# Altium PCB roach2.PcbDoc (part 38 of 39) (continued)
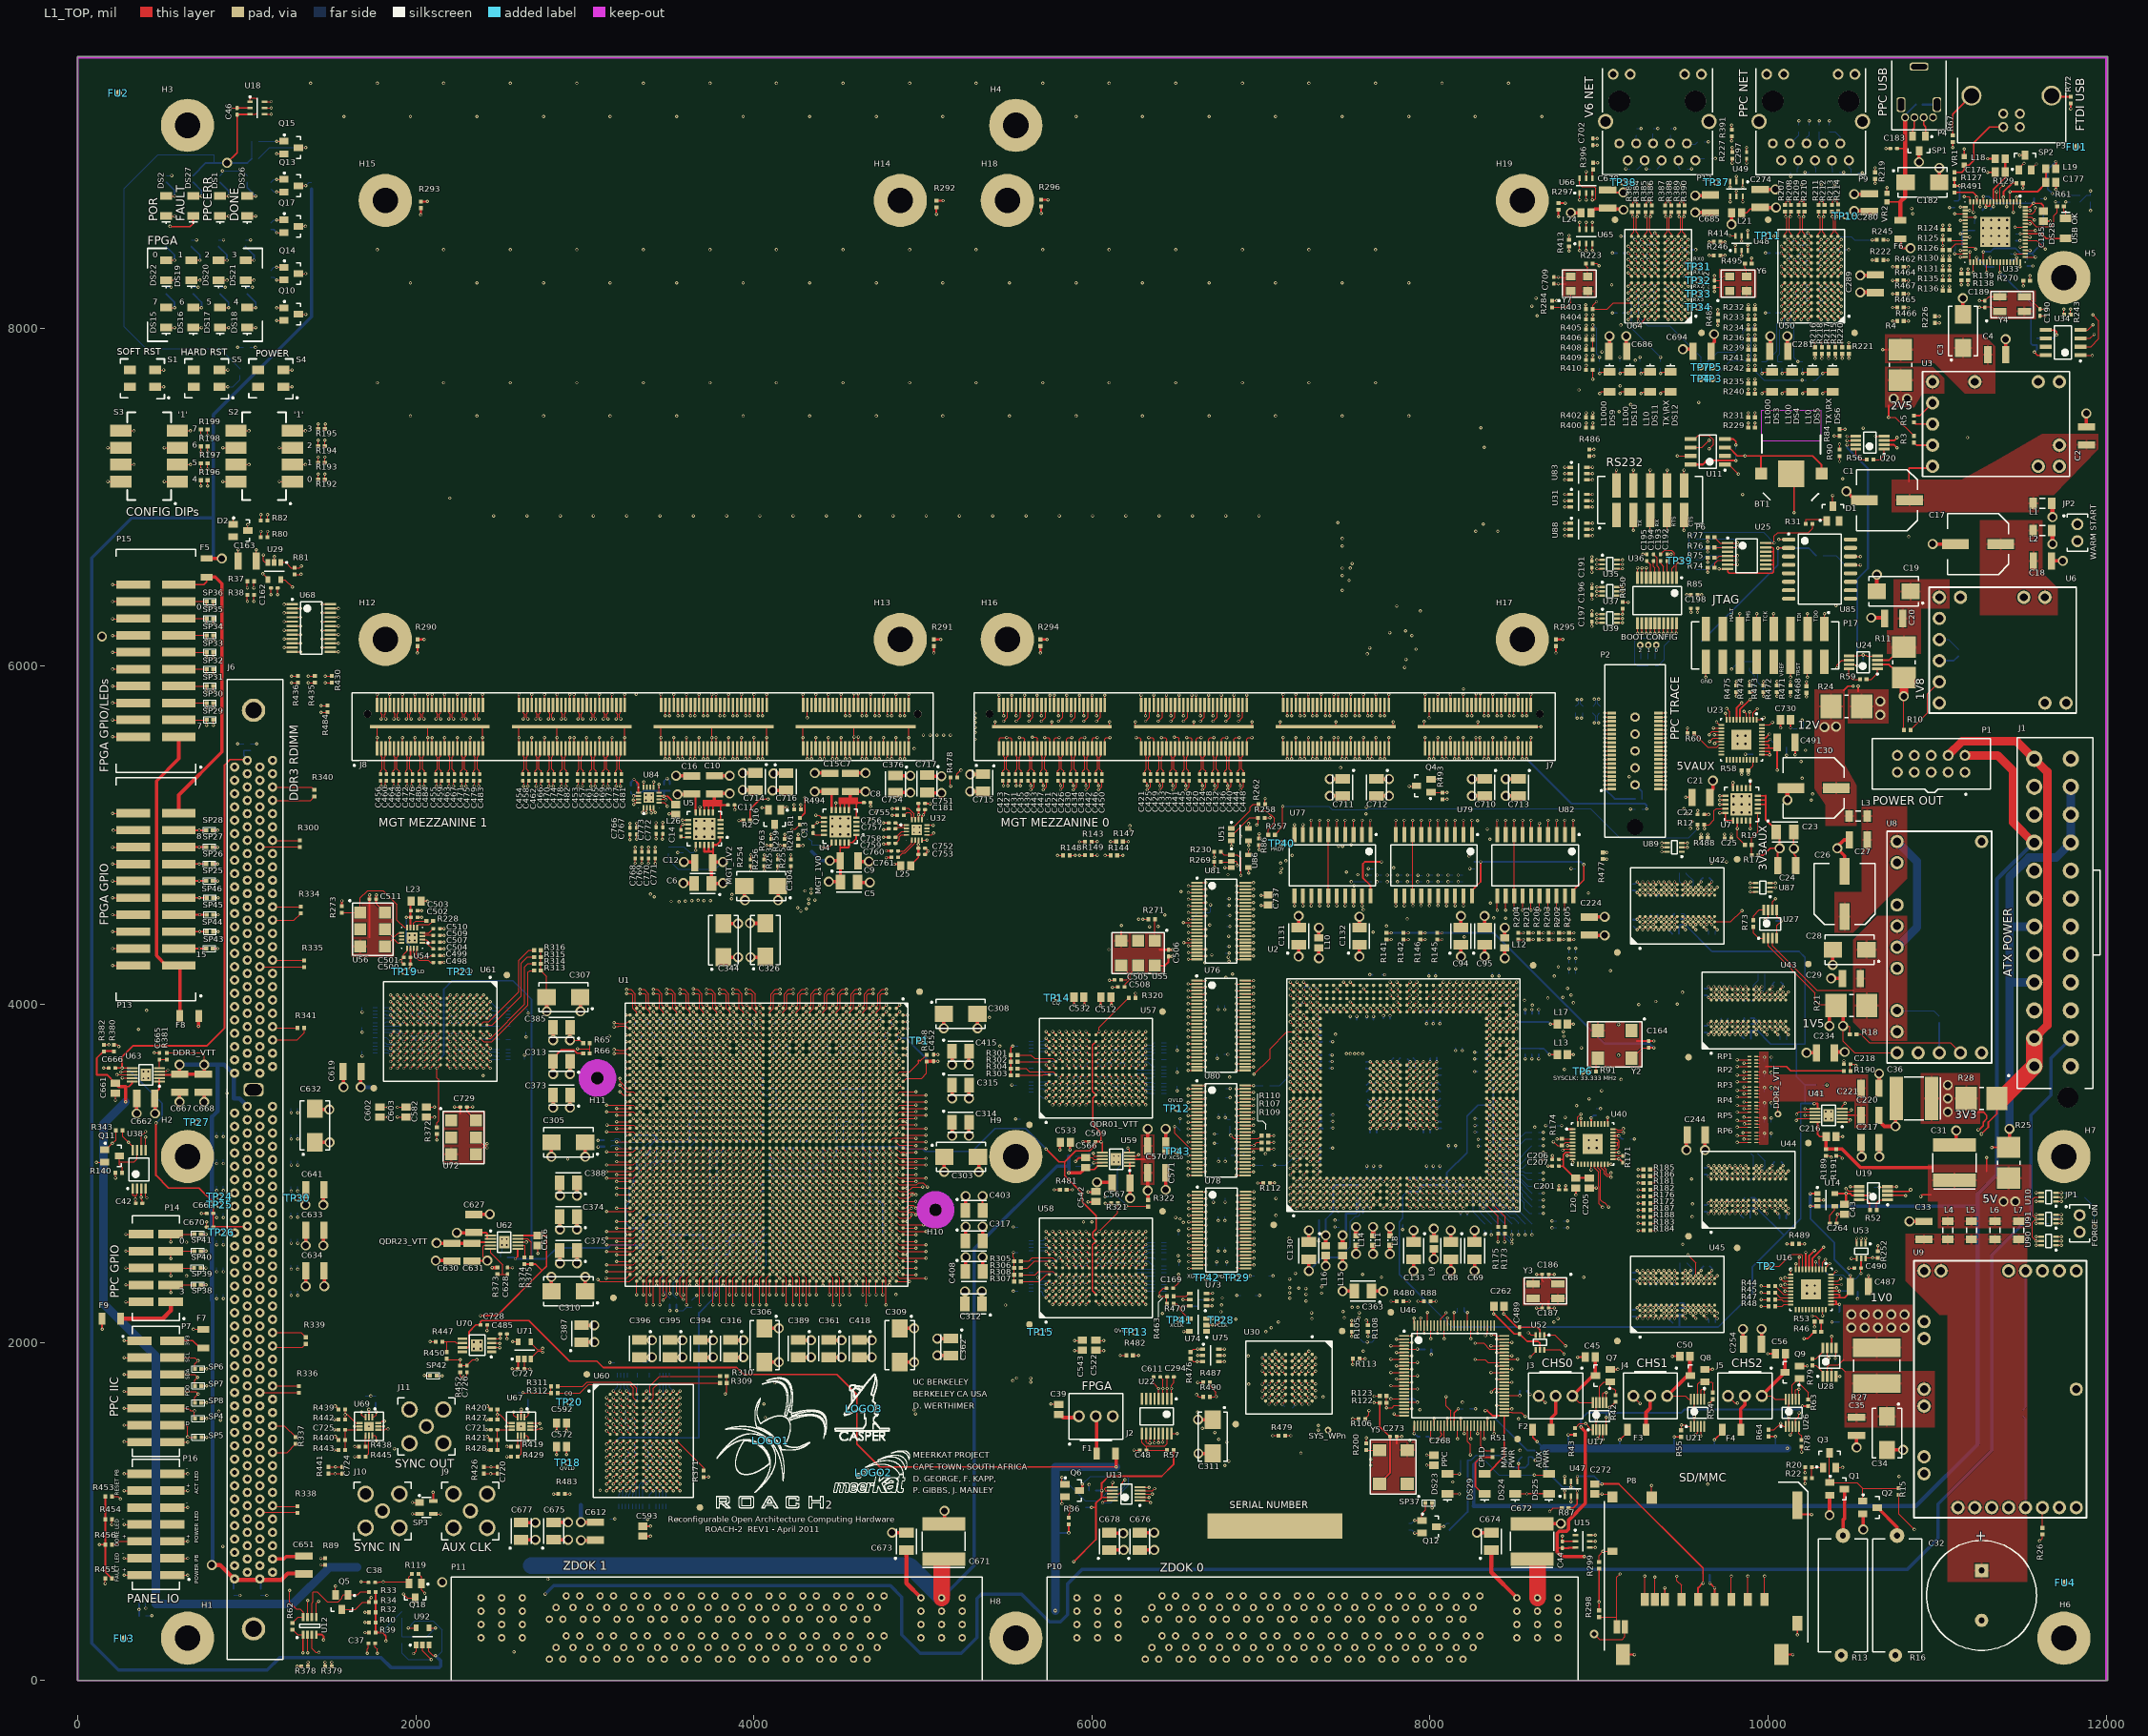
[diagram p0: L1_TOP view]
## Nets (pads, with @x,y where several pads share a name; then routed paths per layer and width w, separated by ;. In a path a pad name is that pad's centre, name@x,y a point inside that pad or via, vN(x,y) a via of type N, cw(c..) or ccw(c..) an arc to the next point about the centre after c; other vN are vias at no path point) (continued)
ZDOK1.DP_P6: P11.A13 U1.R35 | length 3368.6
  L1_TOP w5: U1.R35@4329.81,2636.26 v1(4349.5,2616.57)
  L5_S w3.8: P11.A13@3990.2,125.98 3994.2,125.98 4023.19,96.99 4023.19,81.76 4049.76,55.19 4076.42,55.19 4124.99,103.76 4124.99,146.79 4086.79,184.99 4086.79,207.19 4042.79,251.19 4042.79,269.56 4178.99,405.76 4178.99,441.96 4216.99,479.96 4216.99,633.96 4425.28,842.25 4425.28,1068.59 cw(c4429.68,1068.59) 4429.68,1072.99 4477,1072.99 ccw(c4477,1085.19) 4489.2,1085.19 ccw(c4477,1085.19) 4477,1097.39 4365.75,1097.39 cw(c4365.75,1101.79) 4365.75,1106.19 4477,1106.19 ccw(c4477,1118.39) 4489.2,1118.39 ccw(c4477,1118.39) 4477,1130.59 4429.68,1130.59 cw(c4429.68,1134.99) 4425.28,1134.99 4425.28,1318.71 4301.79,1442.19 4301.79,2084.76 4353.21,2136.18 4353.21,2310.3 4333.53,2329.99 4333.53,2600.6 v1(4349.5,2616.57)
ZDOK1.DP_P7: P11.A15 U1.P36 | length 3414.3
  L1_TOP w5: U1.P36@4369.18,2596.89 v1(4388.87,2577.2)
  L12_S w3.8: P11.A15@4190.2,125.98 4202.41,138.19 4202.41,172.44 4194.61,180.24 4194.61,209.53 4208.99,223.91 4208.99,271.96 4175.76,305.19 4163.76,305.19 4135.19,333.76 4135.19,359.56 4076.99,417.76 4076.99,443.96 4037.19,483.76 4037.19,731.19 4397.19,1091.19 4397.19,1233.59 ccw(c4392.79,1233.59) 4392.79,1237.99 4370.24,1237.99 cw(c4370.24,1250.19) 4370.24,1262.39 4426.74,1262.39 ccw(c4426.74,1266.79) 4431.14,1266.79 ccw(c4426.74,1266.79) 4426.74,1271.19 4370.24,1271.19 cw(c4370.24,1283.39) 4370.24,1295.59 4426.74,1295.59 ccw(c4426.74,1299.99) 4431.14,1299.99 ccw(c4426.74,1299.99) 4426.74,1304.39 4370.24,1304.39 cw(c4370.24,1316.59) 4370.24,1328.79 4426.74,1328.79 ccw(c4426.74,1333.19) 4431.14,1333.19 ccw(c4426.74,1333.19) 4426.74,1337.59 4370.24,1337.59 cw(c4370.24,1349.79) 4370.24,1361.99 4426.74,1361.99 ccw(c4426.74,1366.39) 4431.14,1366.39 ccw(c4426.74,1366.39) 4426.74,1370.79 4409.39,1370.79 cw(c4409.39,1382.99) 4397.19,1382.99 4397.19,2126.56 4365.99,2157.76 4365.99,2233.52 4389.76,2257.29 4389.76,2322.68 4365.47,2346.98 4365.47,2615.24 4382.4,2632.17 4395.33,2632.17 4404.47,2623.04 4404.47,2592.8 v1(4388.87,2577.2)
ZDOK1.DP_P8: P11.A17 U1.M41 | length 3377
  L1_TOP w5: U1.M41@4447.92,2400.04 4467.61,2380.35 v2(4467.61,2222.87)
  L14_S w3.8: 4384.99,84.99 4383.99,83.99 ; P11.A17@4390.2,125.98 4390.2,90.2 4383.99,83.99 ; v2@4468.5,2224.41 4448.92,2243.99 4434.99,2243.99 4415.99,2224.99 4415.99,2170.99 4476.99,2109.99 4476.99,1398.99 ccw(c4481.39,1398.99) 4481.39,1394.59 4533.99,1394.59 cw(c4533.99,1382.39) 4546.19,1382.39 cw(c4533.99,1382.39) 4533.99,1370.19 4481.39,1370.19 ccw(c4481.39,1365.79) 4481.39,1361.39 4533.99,1361.39 cw(c4533.99,1349.19) 4546.19,1349.19 cw(c4533.99,1349.19) 4533.99,1336.99 4481.39,1336.99 ccw(c4481.39,1332.59) 4481.39,1328.19 4533.99,1328.19 cw(c4533.99,1315.99) 4546.19,1315.99 cw(c4533.99,1315.99) 4533.99,1303.79 4481.39,1303.79 ccw(c4481.39,1299.39) 4481.39,1294.99 4533.99,1294.99 cw(c4533.99,1282.79) 4546.19,1282.79 cw(c4533.99,1282.79) 4533.99,1270.59 4481.39,1270.59 ccw(c4481.39,1266.19) 4481.39,1261.79 4533.99,1261.79 cw(c4533.99,1249.59) 4546.19,1249.59 cw(c4533.99,1249.59) 4533.99,1237.39 4481.39,1237.39 ccw(c4481.39,1232.99) 4481.39,1228.59 4533.99,1228.59 cw(c4533.99,1216.39) 4546.19,1216.39 cw(c4533.99,1216.39) 4533.99,1204.19 4481.39,1204.19 ccw(c4481.39,1199.79) 4476.99,1199.79 4476.99,807.96 4332.99,663.96 4332.99,488.99 4372.79,449.19 4372.79,409.76 4354.79,391.76 4354.79,345.19 4414.79,285.19 4414.79,239.76 4382.99,207.96 4382.99,181.96 4350.99,149.96 4350.99,96.99 4370.99,76.99 4376.99,76.99 4383.99,83.99
ZDOK1.DP_P9: P11.A19 U1.L41 | length 3386.4
  L1_TOP w5: U1.L41@4487.29,2400.04 4506.98,2380.35 v2(4506.98,2222.87)
  L14_S w3.8: v2@4507.87,2224.41 4507.87,2242.87 4511.99,2246.99 4519.99,2246.99 4524.99,2241.99 4524.99,2170.96 4605.19,2090.76 4605.19,1878.76 4629.19,1854.76 4629.19,1818.99 ccw(c4641.39,1818.99) 4641.39,1806.79 4703.67,1806.79 cw(c4703.67,1802.39) 4708.07,1802.39 cw(c4703.67,1802.39) 4703.67,1797.99 4584.11,1797.99 ccw(c4584.11,1785.79) 4584.11,1773.59 4703.67,1773.59 cw(c4703.67,1769.19) 4708.07,1769.19 cw(c4703.67,1769.19) 4703.67,1764.79 4584.11,1764.79 ccw(c4584.11,1752.59) 4584.11,1740.39 4703.67,1740.39 cw(c4703.67,1735.99) 4708.07,1735.99 cw(c4703.67,1735.99) 4703.67,1731.59 4584.11,1731.59 ccw(c4584.11,1719.39) 4584.11,1707.19 4703.67,1707.19 cw(c4703.67,1702.79) 4708.07,1702.79 cw(c4703.67,1702.79) 4703.67,1698.39 4641.39,1698.39 ccw(c4641.39,1686.19) 4629.19,1686.19 4629.19,487.76 4684.99,431.96 4684.99,399.96 4711.48,373.48 4711.48,347.48 4595.19,231.19 4595.19,210.11 4594.61,209.53 4594.61,180.24 4595.19,179.65 4595.19,130.98 P11.A19@4590.2,125.98
ZDOK1.DP_P10: P11.D1 U1.AA32 | length 3362.8
  L1_TOP w5: U1.AA32@4093.59,2754.37 v1(4113.28,2734.68)
  L3_S w3.8: P11.D1@2790.2,362.2 2818.98,390.99 2832.99,390.99 2857.51,415.51 2857.51,455.44 2843.19,469.76 2843.19,583.19 3278.99,1018.99 3427.99,1018.99 ccw(c3427.99,1023.39) 3432.39,1023.39 3432.39,1069.8 cw(c3444.59,1069.8) 3456.79,1069.8 3456.79,1023.39 ccw(c3461.19,1023.39) 3465.59,1023.39 3465.59,1069.8 cw(c3477.79,1069.8) 3489.99,1069.8 3489.99,1023.39 ccw(c3494.39,1023.39) 3494.39,1018.99 3544.99,1018.99 3659.19,1133.19 3659.19,1556.19 3793.19,1690.19 3793.19,1898.09 3793.42,1898.32 3793.42,2011.65 3863.76,2081.99 3915.69,2133.92 3915.69,2222.72 3952.08,2259.11 3952.08,2321.11 4003.76,2372.79 4028.76,2372.79 4070.69,2414.72 4070.69,2692.72 4112.65,2734.68 v1(4113.28,2734.68)
ZDOK1.DP_P11: P11.D3 U1.Y38 | length 3363.8
  L1_TOP w5: U1.Y38@4132.96,2518.15 v1(4152.65,2498.46)
  L14_S w3.8: P11.D3@2990.2,362.2 2990.2,326.2 2976.99,312.99 2948.99,312.99 2930.99,330.99 2930.99,365.96 2969.28,404.25 2969.28,452.71 2925.35,496.63 2925.35,514.64 2924.99,515.01 2924.99,582.99 3165.19,823.19 3480.22,823.19 3614.99,957.96 3614.99,1249.96 3677.5,1312.47 3840.08,1475.05 cw(c3843.19,1471.94) 3846.3,1475.05 3865.17,1456.18 ccw(c3873.8,1464.8) 3882.43,1456.18 ccw(c3873.8,1464.8) 3886,1464.8 ccw(c3873.8,1464.8) 3882.43,1473.43 3857.69,1498.17 ; 3857.68,1498.18 3844.43,1511.42 cw(c3847.54,1514.54) 3844.43,1517.65 cw(c3847.54,1514.54) 3850.65,1517.65 3863.9,1504.4 3888.65,1479.65 ccw(c3897.28,1488.28) 3905.9,1479.65 ccw(c3897.28,1488.28) 3909.47,1488.28 ccw(c3897.28,1488.28) 3905.9,1496.91 3881.17,1521.64 3867.91,1534.9 cw(c3871.02,1538.01) 3867.91,1541.12 cw(c3871.02,1538.01) 3874.13,1541.12 3887.38,1527.87 ; 3887.39,1527.86 3912.12,1503.13 ccw(c3920.75,1511.75) 3929.38,1503.13 ccw(c3920.75,1511.75) 3932.95,1511.75 ccw(c3920.75,1511.75) 3929.38,1520.38 3910.5,1539.25 cw(c3913.62,1542.36) 3910.5,1545.47 3990.79,1625.76 3990.79,2048.76 4122.79,2180.76 4122.79,2270.03 4117.36,2275.47 4117.36,2288.39 4138.97,2310 4138.97,2371.97 4137.05,2373.89 4137.05,2483.5 4152.33,2498.78 v1@4153.54,2500
ZDOK1.DP_P12: P11.D5 U1.V33 | length 3326.2
  L1_TOP w5: U1.V33@4211.7,2715 v1(4231.39,2695.31)
  L3_S w3.8: P11.D5@3190.2,362.2 3184.98,356.99 3142.79,356.99 3142.79,381.56 3172.99,411.76 3172.99,441.19 3308.99,577.19 3484.22,577.19 3962.79,1055.76 3962.79,1224.59 cw(c3967.19,1224.59) 3967.19,1228.99 4012.58,1228.99 ccw(c4012.58,1241.19) 4024.78,1241.19 ccw(c4012.58,1241.19) 4012.58,1253.39 3915.01,1253.39 cw(c3915.01,1257.79) 3915.01,1262.19 4012.58,1262.19 ccw(c4012.58,1274.39) 4024.78,1274.39 ccw(c4012.58,1274.39) 4012.58,1286.59 3967.19,1286.59 cw(c3967.19,1290.99) 3962.79,1290.99 3962.79,1399.76 4174.79,1611.76 4174.79,1673.05 4226.99,1725.25 4226.99,2205.21 4215.79,2216.41 4215.79,2275.79 4244.49,2304.49 4244.49,2384.55 4215.79,2413.26 4215.79,2679.71 v1(4231.39,2695.31)
ZDOK1.DP_P13: P11.D7 U1.V41 | length 3319
  L1_TOP w5: U1.V41@4211.7,2400.04 4231.39,2380.35 v2(4231.39,2222.87)
  L14_S w3.8: P11.D7@3390.2,362.2 3390.2,330.2 3376.99,316.99 3344.99,316.99 3330.99,330.99 3330.99,359.96 3380.99,409.96 3380.99,445.96 3426.79,491.76 3426.79,589.56 3829.6,992.37 ; 3829.75,992.52 3834.99,997.76 3834.99,1034.19 cw(c3839.39,1034.19) 3839.39,1038.59 3893.31,1038.59 ccw(c3893.31,1050.79) 3905.51,1050.79 ccw(c3893.31,1050.79) 3893.31,1062.99 3796.47,1062.99 cw(c3796.47,1067.39) 3796.47,1071.79 3893.31,1071.79 ccw(c3893.31,1083.99) 3905.51,1083.99 ccw(c3893.31,1083.99) 3893.31,1096.19 3796.47,1096.19 cw(c3796.47,1100.59) 3796.47,1104.99 3893.31,1104.99 ccw(c3893.31,1117.19) 3905.51,1117.19 ccw(c3893.31,1117.19) 3893.31,1129.39 3796.47,1129.39 cw(c3796.47,1133.79) 3796.47,1138.19 3893.31,1138.19 ccw(c3893.31,1150.39) 3905.51,1150.39 ccw(c3893.31,1150.39) 3893.31,1162.59 3839.39,1162.59 cw(c3839.39,1166.99) 3834.99,1166.99 3834.99,1191.96 4216.5,1573.47 4216.5,2208.63 4231.07,2223.19 v2@4232.28,2224.41
ZDOK1.DP_P14: P11.D9 U1.U39 | length 3339.4
  L1_TOP w5: U1.U39@4251.07,2478.78 v1(4270.76,2459.09)
  L9_R w3.8: P11.D9@3590.2,362.2 3588.99,361 3588.99,332.99 3566.99,310.99 3556.99,310.99 3538.79,329.19 3538.79,381.56 3582.99,425.76 3582.99,443.96 3624.99,485.96 3624.99,1011.96 3718.21,1105.18 ccw(c3709.59,1113.81) 3721.79,1113.81 ccw(c3709.59,1113.81) 3718.22,1122.44 3675.88,1164.77 cw(c3678.99,1167.89) 3675.88,1171 cw(c3678.99,1167.89) 3682.1,1171 3778.52,1074.58 ccw(c3787.14,1083.21) 3795.77,1074.58 ccw(c3787.14,1083.21) 3799.34,1083.21 ccw(c3787.14,1083.21) 3795.77,1091.84 3699.36,1188.25 cw(c3702.46,1191.37) 3699.35,1194.48 cw(c3702.46,1191.37) 3705.58,1194.48 3801.99,1098.06 ccw(c3810.62,1106.69) 3819.24,1098.06 ccw(c3810.62,1106.69) 3822.82,1106.69 ccw(c3810.62,1106.69) 3819.24,1115.31 3753.18,1181.37 cw(c3756.29,1184.49) 3753.18,1187.6 cw(c3756.29,1184.49) 3759.41,1187.6 3777.25,1169.75 3825.46,1121.54 ccw(c3834.09,1130.16) 3842.72,1121.54 ccw(c3834.09,1130.16) 3846.29,1130.16 ccw(c3834.09,1130.16) 3842.72,1138.79 3800.38,1181.13 cw(c3803.49,1184.24) 3800.38,1187.35 3976.51,1363.48 4207.79,1594.76 4207.79,2157.79 4215.79,2165.79 4215.79,2278.79 4255.16,2318.16 4255.16,2443.49 v1(4270.76,2459.09)
ZDOK1.DP_P15: P11.D11 U1.U36 | length 3354.1
  L1_TOP w5: U1.U36@4251.07,2596.89 v1(4270.76,2577.2)
  L12_S w3.8: P11.D11@3790.2,362.2 3802.41,374.41 3802.41,408.66 3794.61,416.46 3794.61,445.75 3813.19,464.33 3813.19,803.19 4227.19,1217.19 4227.19,1615.59 ccw(c4222.79,1615.59) 4222.79,1619.99 4181.07,1619.99 cw(c4181.07,1632.19) 4181.07,1644.39 4281.63,1644.39 ccw(c4281.63,1648.79) 4286.03,1648.79 ccw(c4281.63,1648.79) 4281.63,1653.19 4181.07,1653.19 cw(c4181.07,1665.39) 4181.07,1677.59 4281.63,1677.59 ccw(c4281.63,1681.99) 4286.03,1681.99 ccw(c4281.63,1681.99) 4281.63,1686.39 4181.07,1686.39 cw(c4181.07,1698.59) 4181.07,1710.79 4281.63,1710.79 ccw(c4281.63,1715.19) 4286.03,1715.19 ccw(c4281.63,1715.19) 4281.63,1719.59 4181.07,1719.59 cw(c4181.07,1731.79) 4181.07,1743.99 4281.63,1743.99 ccw(c4281.63,1748.39) 4286.03,1748.39 ccw(c4281.63,1748.39) 4281.63,1752.79 4239.39,1752.79 cw(c4239.39,1764.99) 4227.19,1764.99 4227.19,1801.19 4247.99,1821.99 4265.69,1839.69 4265.69,2179.22 4286.73,2200.26 4286.73,2252.55 4267.04,2272.24 4267.04,2390.35 4247.36,2410.03 4247.36,2553.8 v1(4270.76,2577.2)
ZDOK1.DP_P16: P11.D13 U1.T41 | length 3406.6
  L1_TOP w5: U1.T41@4290.44,2400.04 4310.13,2380.35 v2(4310.13,2222.87)
  L14_S w3.8: P11.D13@3990.2,362.2 3990.2,430.3 4029.19,469.3 4029.19,831.19 4059.59,861.59 ccw(c4056.48,864.71) 4060.88,864.71 ccw(c4056.48,864.71) 4059.59,867.82 ; 4059.59,867.82 4018.94,908.47 cw(c4027.56,917.1) 4018.93,925.73 cw(c4027.56,917.1) 4036.18,925.73 4129.25,832.67 ccw(c4132.36,835.78) 4135.47,832.67 ccw(c4132.36,835.78) 4136.76,835.78 ccw(c4132.36,835.78) 4135.47,838.89 ; 4135.46,838.9 4042.41,931.95 cw(c4051.03,940.58) 4042.41,949.21 cw(c4051.03,940.58) 4059.66,949.21 4152.72,856.15 ; 4152.72,856.14 ccw(c4155.83,859.26) 4158.94,856.14 ccw(c4155.83,859.26) 4160.23,859.26 ccw(c4155.83,859.26) 4158.94,862.37 4065.88,955.43 cw(c4074.51,964.05) 4065.88,972.68 cw(c4074.51,964.05) 4083.13,972.68 4176.19,879.62 ccw(c4179.31,882.73) 4182.42,879.62 ccw(c4179.31,882.73) 4183.71,882.73 ccw(c4179.31,882.73) 4182.42,885.84 4089.36,978.9 cw(c4097.98,987.53) 4089.36,996.16 cw(c4097.98,987.53) 4106.61,996.16 4199.67,903.09 ccw(c4202.78,906.21) 4205.89,903.09 ccw(c4202.78,906.21) 4207.18,906.21 ccw(c4202.78,906.21) 4205.89,909.32 ; 4205.89,909.32 4165.23,949.98 cw(c4173.86,958.61) 4165.23,967.23 4373.42,1175.42 4373.42,2040.93 4340.59,2073.76 4340.59,2170.39 4338.99,2171.99 4338.99,2234.99 4325.99,2247.99 4315.99,2247.99 4311.02,2243.02 v2@4311.02,2224.41
ZDOK1.DP_P17: P11.D15 U1.R39 | length 3344.2
  L1_TOP w5: U1.R39@4329.81,2478.78 v1(4349.5,2459.09)
  L9_R w3.8: P11.D15@4190.2,362.2 4194.61,366.61 4194.61,485.72 4197.48,488.59 4197.48,511.41 4194.61,514.28 4194.61,1036.61 4273.99,1115.99 4335.62,1177.62 cw(c4344.25,1169) 4352.87,1177.62 4397.24,1133.25 ccw(c4400.36,1136.36) 4403.47,1133.25 ccw(c4400.36,1136.36) 4404.76,1136.36 ccw(c4400.36,1136.36) 4403.47,1139.47 4302.99,1239.95 cw(c4311.62,1248.58) 4302.99,1257.2 cw(c4311.62,1248.58) 4320.24,1257.2 4370.48,1206.97 ; v1(4349.5,2459.09) 4349.5,2441.96 4365.47,2425.99 4365.47,2370.66 4384.78,2351.35 4384.78,2275.47 4384.69,2275.38 4384.69,2245.19 4365.99,2226.49 4365.99,2153.76 4448.19,2071.56 4448.19,1290.19 4429.53,1271.53 ccw(c4438.15,1262.9) 4429.52,1254.27 ; 4370.49,1206.96 4420.72,1156.73 ccw(c4423.83,1159.84) 4426.94,1156.73 ccw(c4423.83,1159.84) 4428.23,1159.84 ccw(c4423.83,1159.84) 4426.94,1162.95 4326.47,1263.43 cw(c4335.09,1272.05) 4326.47,1280.68 cw(c4335.09,1272.05) 4343.72,1280.68 4444.19,1180.21 ccw(c4447.31,1183.31) 4450.42,1180.2 ccw(c4447.31,1183.31) 4451.71,1183.31 ccw(c4447.31,1183.31) 4450.42,1186.43 4349.94,1286.9 cw(c4358.57,1295.53) 4349.94,1304.15 cw(c4358.57,1295.53) 4367.19,1304.15 4467.66,1203.68 ; 4429.53,1254.26 4473.89,1209.91 cw(c4470.78,1206.79) 4475.18,1206.79 cw(c4470.78,1206.79) 4473.89,1203.68 cw(c4470.78,1206.79) 4467.67,1203.68
ZDOK1.DP_P18: P11.D17 U1.M31 | length 3409.1
  L1_TOP w5: U1.M31@4447.92,2793.74 v1(4467.61,2774.05)
  L5_S w3.8: P11.D17@4390.2,362.2 4403.78,362.2 4424.99,340.99 4424.99,317.96 4435.76,307.19 4710.22,307.19 4808.79,405.76 4808.79,547.19 4692.79,663.19 4692.79,1298.59 cw(c4697.19,1298.59) 4697.19,1302.99 4740.43,1302.99 ccw(c4740.43,1315.19) 4752.63,1315.19 ccw(c4740.43,1315.19) 4740.43,1327.39 4650.15,1327.39 cw(c4650.15,1331.79) 4650.15,1336.19 4740.43,1336.19 ccw(c4740.43,1348.39) 4752.63,1348.39 ccw(c4740.43,1348.39) 4740.43,1360.59 4697.19,1360.59 cw(c4697.19,1364.99) 4692.79,1364.99 4692.79,1407.19 4422.49,1677.49 4422.49,2317.83 4432.85,2328.19 4432.85,2345.78 4412.27,2366.36 4412.27,2747.05 4423.67,2758.45 4434.7,2758.45 4450.3,2774.05 v1(4467.61,2774.05)
ZDOK1.DP_P19: P11.D19 U1.N40 | length 3366.5
  L1_TOP w5: U1.N40@4408.55,2439.41 v1(4428.24,2419.72)
  L14_S w3.8: v1@4429.13,2421.26 4429.13,2419.72 4429.13,2401.52 4443.84,2386.81 4443.84,2376.15 4471.69,2348.29 4471.69,2254.32 4491.38,2234.63 4491.38,2150.41 4562.99,2078.79 4562.99,1644.99 ccw(c4567.39,1644.99) 4567.39,1640.59 4605.4,1640.59 cw(c4605.4,1628.39) 4617.6,1628.39 cw(c4605.4,1628.39) 4605.4,1616.19 4500.78,1616.19 ccw(c4500.78,1611.79) 4500.78,1607.39 4605.4,1607.39 cw(c4605.4,1595.19) 4617.6,1595.19 cw(c4605.4,1595.19) 4605.4,1582.99 4500.78,1582.99 ccw(c4500.78,1578.59) 4500.78,1574.19 4605.4,1574.19 cw(c4605.4,1561.99) 4617.6,1561.99 cw(c4605.4,1561.99) 4605.4,1549.79 4500.78,1549.79 ccw(c4500.78,1545.39) 4500.78,1540.99 4605.4,1540.99 cw(c4605.4,1528.79) 4617.6,1528.79 cw(c4605.4,1528.79) 4605.4,1516.59 4500.78,1516.59 ccw(c4500.78,1512.19) 4500.78,1507.79 4605.4,1507.79 cw(c4605.4,1495.59) 4617.6,1495.59 cw(c4605.4,1495.59) 4605.4,1483.39 4567.39,1483.39 ccw(c4567.39,1478.99) 4562.99,1478.99 4562.99,739.96 4428.99,605.96 4428.99,502.99 4492.79,439.19 4492.79,401.19 4572.99,320.99 4588.99,320.99 4592.99,324.99 4592.99,359.41 P11.D19@4590.2,362.2
ZDOK1.DP_P20: P11.C1 U1.AA35 | length 3357
  L1_TOP w5: U1.AA35@4093.59,2636.26 v1(4113.28,2616.57)
  L12_S w3.8: P11.C1@2890,263.78 2902.41,276.19 2902.41,408.66 2894.61,416.46 2894.61,445.75 2921.19,472.33 2921.19,638.42 3299.76,1016.99 3478.59,1016.99 cw(c3478.59,1004.79) 3490.79,1004.79 3490.79,961.46 ccw(c3495.19,961.46) 3499.59,961.46 3499.59,1064.72 cw(c3511.79,1064.72) 3523.99,1064.72 3523.99,989.11 ccw(c3528.39,989.11) 3532.79,989.11 3532.79,1004.79 cw(c3544.99,1004.79) 3544.99,1016.99 3588.99,1016.99 3925.71,1353.71 3925.71,1836.71 4012.03,1923.03 4025.39,1936.39 4025.39,2136.92 4109.56,2221.09 4109.56,2377.39 4089.88,2397.08 4089.88,2593.17 v1(4113.28,2616.57) ; v1@4112.96,2616.89 v1@4114.17,2618.11
ZDOK1.DP_P21: P11.C3 U1.W32 | length 3362.9
  L1_TOP w5: U1.W32@4172.33,2754.37 v1(4192.02,2734.68)
  L3_S w3.8: 3106.1,279.88 P11.C3@3090,263.78 3059.21,232.99 3048.99,232.99 3030.99,250.99 3030.99,369.96 3071.28,410.25 3071.28,452.71 3062.45,461.54 3062.45,526.45 3138.99,602.99 3186.79,602.99 3388.99,805.19 3592.22,805.19 3833.5,1046.47 3871.75,1084.72 3876.99,1089.96 3876.99,1155.79 cw(c3881.39,1155.79) 3881.39,1160.19 3912.82,1160.19 ccw(c3912.82,1172.39) 3925.02,1172.39 ccw(c3912.82,1172.39) 3912.82,1184.59 3881.39,1184.59 cw(c3881.39,1188.99) 3876.99,1188.99 3876.99,1455.19 4010.99,1589.19 4066.22,1589.19 4104.51,1627.48 4104.51,2157.51 4156.73,2209.73 4156.73,2299.23 4176.42,2318.92 4176.42,2719.08 v1(4192.02,2734.68)
ZDOK1.DP_P22: P11.C5 U1.W36 | length 3377.8
  L1_TOP w5: U1.W36@4172.33,2596.89 v1(4192.02,2577.2)
  L12_S w3.8: P11.C5@3290,263.78 3344.99,318.77 3344.99,407.17 3357.51,419.69 3357.51,442.52 3334.57,465.46 3334.57,688.57 3444.99,798.99 3606.99,798.99 4035.19,1227.19 4035.19,1325.39 cw(c4047.39,1325.39) 4047.39,1337.59 4103.87,1337.59 ccw(c4103.87,1341.99) 4108.27,1341.99 ccw(c4103.87,1341.99) 4103.87,1346.39 4017.71,1346.39 cw(c4017.71,1358.59) 4017.71,1370.79 4103.87,1370.79 ccw(c4103.87,1375.19) 4108.27,1375.19 ccw(c4103.87,1375.19) 4103.87,1379.59 4017.71,1379.59 cw(c4017.71,1391.79) 4017.71,1403.99 4103.87,1403.99 ccw(c4103.87,1408.39) 4108.27,1408.39 ccw(c4103.87,1408.39) 4103.87,1412.79 4047.39,1412.79 cw(c4047.39,1424.99) 4035.19,1424.99 4035.19,1563.19 4094.71,1622.71 4094.71,1958.71 4183.42,2047.42 4183.42,2137.95 4207.99,2162.52 4207.99,2307.61 4168.62,2346.98 4168.62,2554.44 4191.7,2577.52 v1@4192.91,2578.74
ZDOK1.DP_P23: P11.C7 U1.V40 | length 3339.9
  L1_TOP w5: U1.V40@4211.7,2439.41 v1(4231.39,2419.72)
  L14_S w3.8: 3468.99,226.99 3466.99,226.99 ; P11.C7@3490,263.78 3490,234 3482.99,226.99 3466.99,226.99 ; 3985.44,1015.92 4011.6,989.76 ccw(c4020.23,998.38) 4028.85,989.76 ccw(c4020.23,998.38) 4032.42,998.38 ccw(c4020.23,998.38) 4028.85,1007.01 3954.93,1080.93 cw(c3958.04,1084.05) 3954.93,1087.16 cw(c3958.04,1084.05) 3961.15,1087.16 4035.07,1013.23 ccw(c4043.7,1021.86) 4052.33,1013.23 ccw(c4043.7,1021.86) 4055.9,1021.86 ccw(c4043.7,1021.86) 4052.33,1030.49 3978.4,1104.41 cw(c3981.51,1107.52) 3978.4,1110.63 cw(c3981.51,1107.52) 3984.62,1110.63 4058.55,1036.71 ccw(c4067.18,1045.33) 4075.8,1036.71 ccw(c4067.18,1045.33) 4079.37,1045.33 ccw(c4067.18,1045.33) 4075.8,1053.96 4055.51,1074.25 cw(c4058.62,1077.37) 4055.51,1080.48 4234.49,1259.46 4254.79,1279.76 4254.79,2232.57 4235.1,2252.25 4235.1,2381.1 4246.49,2392.49 4246.49,2404.62 v1(4231.39,2419.72) ; 3985.43,1015.93 3937.68,1063.68 ccw(c3934.56,1060.57) 3931.45,1063.68 ccw(c3934.56,1060.57) 3931.45,1057.46 3973.34,1015.57 cw(c3964.72,1006.94) 3976.92,1006.94 cw(c3964.72,1006.94) 3973.34,998.31 3812.51,837.48 3528.99,553.96 3528.99,479.96 3492.99,443.96 3492.99,389.33 3505.47,376.85 3505.47,342.44 3436.99,273.96 3436.99,252.99 3462.99,226.99 3466.99,226.99 ; v1@4231.07,2420.04 v1@4232.28,2421.26
ZDOK1.DP_P24: P11.C9 U1.U37 | length 3384.2
  L1_TOP w5: U1.U37@4251.07,2557.52 v1(4270.76,2537.83)
  L9_R w3.8: P11.C9@3690,263.78 3694.2,263.78 3719.99,237.99 3708.99,226.99 3660.99,226.99 3654.79,233.19 3654.79,303.57 3678.08,326.85 3684.76,326.85 3705.47,347.56 3705.47,405.59 3650.99,460.07 3650.99,596.99 cw(c3655.39,596.99) 3655.39,601.39 3705.58,601.39 ccw(c3705.58,613.59) 3717.78,613.59 ccw(c3705.58,613.59) 3705.58,625.79 3655.39,625.79 cw(c3655.39,630.19) 3655.39,634.59 3705.58,634.59 ccw(c3705.58,646.79) 3717.78,646.79 ccw(c3705.58,646.79) 3705.58,658.99 3655.39,658.99 cw(c3655.39,663.39) 3655.39,667.79 3705.58,667.79 ccw(c3705.58,679.99) 3717.78,679.99 ccw(c3705.58,679.99) 3705.58,692.19 3655.39,692.19 cw(c3655.39,696.59) 3655.39,700.99 3705.58,700.99 ccw(c3705.58,713.19) 3717.78,713.19 ccw(c3705.58,713.19) 3705.58,725.39 3655.39,725.39 cw(c3655.39,729.79) 3655.39,734.19 3705.58,734.19 ccw(c3705.58,746.39) 3717.78,746.39 ccw(c3705.58,746.39) 3705.58,758.59 3655.39,758.59 cw(c3655.39,762.99) 3650.99,762.99 3650.99,821.96 4065.51,1236.48 4291.51,1462.48 4291.51,2145.48 4294.53,2148.49 4294.53,2229.53 4316.59,2251.59 4316.59,2273.09 4314.21,2275.47 4314.21,2393.58 4294.53,2413.26 4294.53,2514.06 v1(4270.76,2537.83)
ZDOK1.DP_P25: P11.C11 U1.T39 | length 3368
  L1_TOP w5: U1.T39@4290.44,2478.78 v1(4310.13,2459.09)
  L12_S w3.8: P11.C11@3890,263.78 3944.71,318.49 3944.71,392.71 3957.51,405.51 3957.51,451.44 3925.19,483.76 3925.19,715.19 4341.19,1131.19 4341.19,1556.79 ccw(c4336.79,1556.79) 4336.79,1561.19 4330.19,1561.19 cw(c4330.19,1573.39) 4330.19,1585.59 4375.91,1585.59 ccw(c4375.91,1589.99) 4380.31,1589.99 ccw(c4375.91,1589.99) 4375.91,1594.39 4330.19,1594.39 cw(c4330.19,1606.59) 4330.19,1618.79 4375.91,1618.79 ccw(c4375.91,1623.19) 4380.31,1623.19 ccw(c4375.91,1623.19) 4375.91,1627.59 4330.19,1627.59 cw(c4330.19,1639.79) 4330.19,1651.99 4375.91,1651.99 ccw(c4375.91,1656.39) 4380.31,1656.39 ccw(c4375.91,1656.39) 4375.91,1660.79 4330.19,1660.79 cw(c4330.19,1672.99) 4330.19,1685.19 4375.91,1685.19 ccw(c4375.91,1689.59) 4380.31,1689.59 ccw(c4375.91,1689.59) 4375.91,1693.99 4330.19,1693.99 cw(c4330.19,1706.19) 4330.19,1718.39 4375.91,1718.39 ccw(c4375.91,1722.79) 4380.31,1722.79 ccw(c4375.91,1722.79) 4375.91,1727.19 4330.19,1727.19 cw(c4330.19,1739.39) 4330.19,1751.59 4375.91,1751.59 ccw(c4375.91,1755.99) 4380.31,1755.99 ccw(c4375.91,1755.99) 4375.91,1760.39 4330.19,1760.39 cw(c4330.19,1772.59) 4330.19,1784.79 4375.91,1784.79 ccw(c4375.91,1789.19) 4380.31,1789.19 ccw(c4375.91,1789.19) 4375.91,1793.59 4330.19,1793.59 cw(c4330.19,1805.79) 4330.19,1817.99 4375.91,1817.99 ccw(c4375.91,1822.39) 4380.31,1822.39 ccw(c4375.91,1822.39) 4375.91,1826.79 4353.39,1826.79 cw(c4353.39,1838.99) 4341.19,1838.99 4341.19,1866.09 4373.42,1898.32 4373.42,2090.97 4326.62,2137.76 4326.62,2174.15 4345.41,2192.94 4345.41,2351.35 4326.1,2370.66 4326.1,2443.12 v1(4310.13,2459.09)
ZDOK1.DP_P26: P11.C13 U1.P42 | length 3354.7
  L1_TOP w5: v2(4369.18,2281.93) U1.P42@4369.18,2360.67
  L14_S w3.8: P11.C13@4090,263.78 4114.2,263.78 4124.99,252.99 4124.99,240.99 4106.99,222.99 4062.99,222.99 4034.99,250.99 4034.99,295.19 4056.99,317.19 4080.22,317.19 4110.79,347.76 4110.79,385.19 4094.79,401.19 4094.79,441.19 4058.99,476.99 4058.99,651.96 4296.86,889.83 ; 4296.86,907.1 4256.15,947.81 cw(c4259.26,950.92) 4256.15,954.04 cw(c4259.26,950.92) 4262.37,954.04 4355.55,860.85 ccw(c4364.18,869.48) 4372.8,860.85 ccw(c4364.18,869.48) 4376.38,869.48 ccw(c4364.18,869.48) 4372.8,878.11 4279.63,971.28 cw(c4282.73,974.4) 4279.62,977.51 cw(c4282.73,974.4) 4285.84,977.51 4379.03,884.33 ccw(c4387.65,892.95) 4396.28,884.33 ccw(c4387.65,892.95) 4399.85,892.95 ccw(c4387.65,892.95) 4396.28,901.58 4303.1,994.76 cw(c4306.21,997.87) 4303.1,1000.99 cw(c4306.21,997.87) 4309.32,1000.99 4355.9,954.4 4402.5,907.81 ccw(c4411.13,916.43) 4419.75,907.8 ccw(c4411.13,916.43) 4423.33,916.43 ccw(c4411.13,916.43) 4419.75,925.06 4377.51,967.3 cw(c4379.09,968.89) 4377.51,970.48 4409.79,1002.76 4409.79,2058.19 4377.99,2089.99 4377.99,2234.79 4353.79,2258.99 4353.79,2267.18 4368.86,2282.25 v2@4370.08,2283.46 ; 4296.87,889.84 ccw(c4288.24,898.46) 4300.44,898.46 ccw(c4288.24,898.46) 4296.87,907.09
ZDOK1.DP_P27: P11.C15 U1.P40 | length 3381.4
  L1_TOP w5: U1.P40@4369.18,2439.41 v1(4388.87,2419.72)
  L14_S w3.8: 4250.24,793.61 4334.53,709.32 ccw(c4337.65,712.43) 4340.76,709.32 ccw(c4337.65,712.43) 4342.05,712.43 ccw(c4337.65,712.43) 4340.76,715.54 4256.46,799.84 cw(c4265.09,808.47) 4256.46,817.09 cw(c4265.09,808.47) 4273.71,817.09 4322.16,768.65 4358.01,732.8 ccw(c4361.12,735.91) 4364.23,732.79 ccw(c4361.12,735.91) 4365.52,735.91 ccw(c4361.12,735.91) 4364.23,739.02 4279.94,823.31 cw(c4288.56,831.94) 4279.93,840.57 cw(c4288.56,831.94) 4297.19,840.57 4345.63,792.12 ; 4250.24,793.62 ccw(c4241.61,784.99) 4232.98,793.62 ccw(c4241.61,784.99) 4232.98,776.37 4317.28,692.07 cw(c4314.17,688.96) 4318.57,688.96 cw(c4314.17,688.96) 4317.28,685.84 cw(c4314.17,688.96) 4311.06,685.84 4226.77,770.14 ccw(c4218.13,761.52) 4209.51,770.14 ccw(c4218.13,761.52) 4209.51,752.89 4252.08,710.32 cw(c4248.98,707.2) 4253.38,707.2 cw(c4248.98,707.2) 4252.09,704.09 4237.19,689.19 4237.19,473.76 4326.06,384.89 4326.06,299.84 P11.C15@4290,263.78 ; 4345.64,792.12 4381.48,756.27 ccw(c4384.6,759.38) 4387.71,756.27 ccw(c4384.6,759.38) 4389,759.38 ccw(c4384.6,759.38) 4387.71,762.49 4357.73,792.47 cw(c4366.35,801.1) 4357.73,809.73 4417.99,869.99 4437.19,889.19 4437.19,2081.36 4385.79,2132.76 4385.79,2289.81 4366.19,2309.41 4366.19,2380.38 4389.76,2403.95 4389.76,2419.72 v1@4389.76,2421.26
ZDOK1.DP_P28: P11.C17 U1.M38 | length 3399.4
  L1_TOP w5: U1.M38@4447.92,2518.15 v1(4467.61,2498.46)
  L12_S w3.8: v1(4467.61,2498.46) 4467.61,2498.09 4444.21,2474.69 4444.21,2410.03 4463.89,2390.35 4463.89,2252.25 4442.19,2230.55 4442.19,2150.56 4445.19,2147.56 4445.19,1863.76 4526.99,1781.96 4526.99,1764.99 ccw(c4539.19,1764.99) 4539.19,1752.79 4582.67,1752.79 cw(c4582.67,1748.39) 4587.07,1748.39 cw(c4582.67,1748.39) 4582.67,1743.99 4479.4,1743.99 ccw(c4479.4,1731.79) 4479.4,1719.59 4598.98,1719.59 cw(c4598.98,1715.19) 4603.38,1715.19 cw(c4598.98,1715.19) 4598.98,1710.79 4479.4,1710.79 ccw(c4479.4,1698.59) 4479.4,1686.39 4598.98,1686.39 cw(c4598.98,1681.99) 4603.38,1681.99 cw(c4598.98,1681.99) 4598.98,1677.59 4479.4,1677.59 ccw(c4479.4,1665.39) 4479.4,1653.19 4598.98,1653.19 cw(c4598.98,1648.79) 4603.38,1648.79 cw(c4598.98,1648.79) 4598.98,1644.39 4479.4,1644.39 ccw(c4479.4,1632.19) 4479.4,1619.99 4522.59,1619.99 cw(c4522.59,1615.59) 4526.99,1615.59 4526.99,976.99 4440.71,890.71 4440.71,478.25 4482.99,435.96 4482.99,411.96 4521.48,373.48 4521.48,295.26 P11.C17@4490,263.78
ZDOK1.DP_P29: P11.F1 U1.AA36 | length 3401.3
  L1_TOP w5: U1.AA36@4093.59,2596.89 v1(4113.28,2577.2)
  L3_S w3.8: P11.F1@2890,500 2926.06,536.06 2926.06,584.06 3330.99,988.99 3576.99,988.99 3702.99,1114.99 3702.99,1272.19 cw(c3715.19,1272.19) 3715.19,1284.39 3768.38,1284.39 ccw(c3768.38,1288.79) 3772.78,1288.79 ccw(c3768.38,1288.79) 3768.38,1293.19 3691.6,1293.19 cw(c3691.6,1305.39) 3691.6,1317.59 3769.67,1317.59 ccw(c3769.67,1321.99) 3774.07,1321.99 ccw(c3769.67,1321.99) 3769.67,1326.39 3691.6,1326.39 cw(c3691.6,1338.59) 3691.6,1350.79 3768.38,1350.79 ccw(c3768.38,1355.19) 3772.78,1355.19 ccw(c3768.38,1355.19) 3768.38,1359.59 3691.6,1359.59 cw(c3691.6,1371.79) 3691.6,1383.99 3768.38,1383.99 ccw(c3768.38,1388.39) 3772.78,1388.39 ccw(c3768.38,1388.39) 3768.38,1392.79 3715.19,1392.79 cw(c3715.19,1404.99) 3702.99,1404.99 3702.99,1515.79 3878.19,1690.99 3878.19,2029.22 3918.69,2069.72 3918.69,2093.22 4011.13,2185.66 4011.13,2286.16 4089.88,2364.91 4089.88,2536.5 4113.28,2559.9 v1(4113.28,2577.2)
ZDOK1.DP_P30: P11.F3 U1.W42 | length 3304
  L1_TOP w5: v2(4172.33,2281.93) U1.W42@4172.33,2360.67
  L14_S w3.8: P11.F3@3090,500 3088.99,498.99 3032.99,498.99 3022.99,508.99 3022.99,606.99 3183.19,767.19 3488.22,767.19 3674.99,953.96 3674.99,1008.19 cw(c3679.39,1008.19) 3679.39,1012.59 3732.03,1012.59 ccw(c3732.03,1024.79) 3744.23,1024.79 ccw(c3732.03,1024.79) 3732.03,1036.99 3642.16,1036.99 cw(c3642.16,1041.39) 3642.16,1045.79 3732.03,1045.79 ccw(c3732.03,1057.99) 3744.23,1057.99 ccw(c3732.03,1057.99) 3732.03,1070.19 3642.16,1070.19 cw(c3642.16,1074.59) 3642.16,1078.99 3732.03,1078.99 ccw(c3732.03,1091.19) 3744.23,1091.19 ccw(c3732.03,1091.19) 3732.03,1103.39 3642.16,1103.39 cw(c3642.16,1107.79) 3642.16,1112.19 3732.03,1112.19 ccw(c3732.03,1124.39) 3744.23,1124.39 ccw(c3732.03,1124.39) 3732.03,1136.59 3679.39,1136.59 cw(c3679.39,1140.99) 3674.99,1140.99 3674.99,1217.96 4030.99,1573.96 4030.99,1659.96 4062.99,1691.96 4062.99,1876.99 ; 4062.99,1875.99 4062.99,1876.99 ; 4064.99,1878.99 4062.99,1876.99 ; v2@4173.23,2283.46 4172.01,2282.25 4157.44,2267.68 4157.44,2159.41 4062.99,2064.96 4062.99,1876.99